# Altium PCB MB1635.PcbDoc (part 10 of 10)
Units mm, origin at the board's own origin, x right, y up, seen from the top; angles counter-clockwise.
Board outline 127 x 97 mm, 6 copper layers (Top Layer, Signal Layer 1, Signal Layer 2, Signal Layer 3, Signal Layer 4, Bottom Layer), stack 1.557 mm thick; 593 components, 478 nets, 2435 pads, 1743 vias.
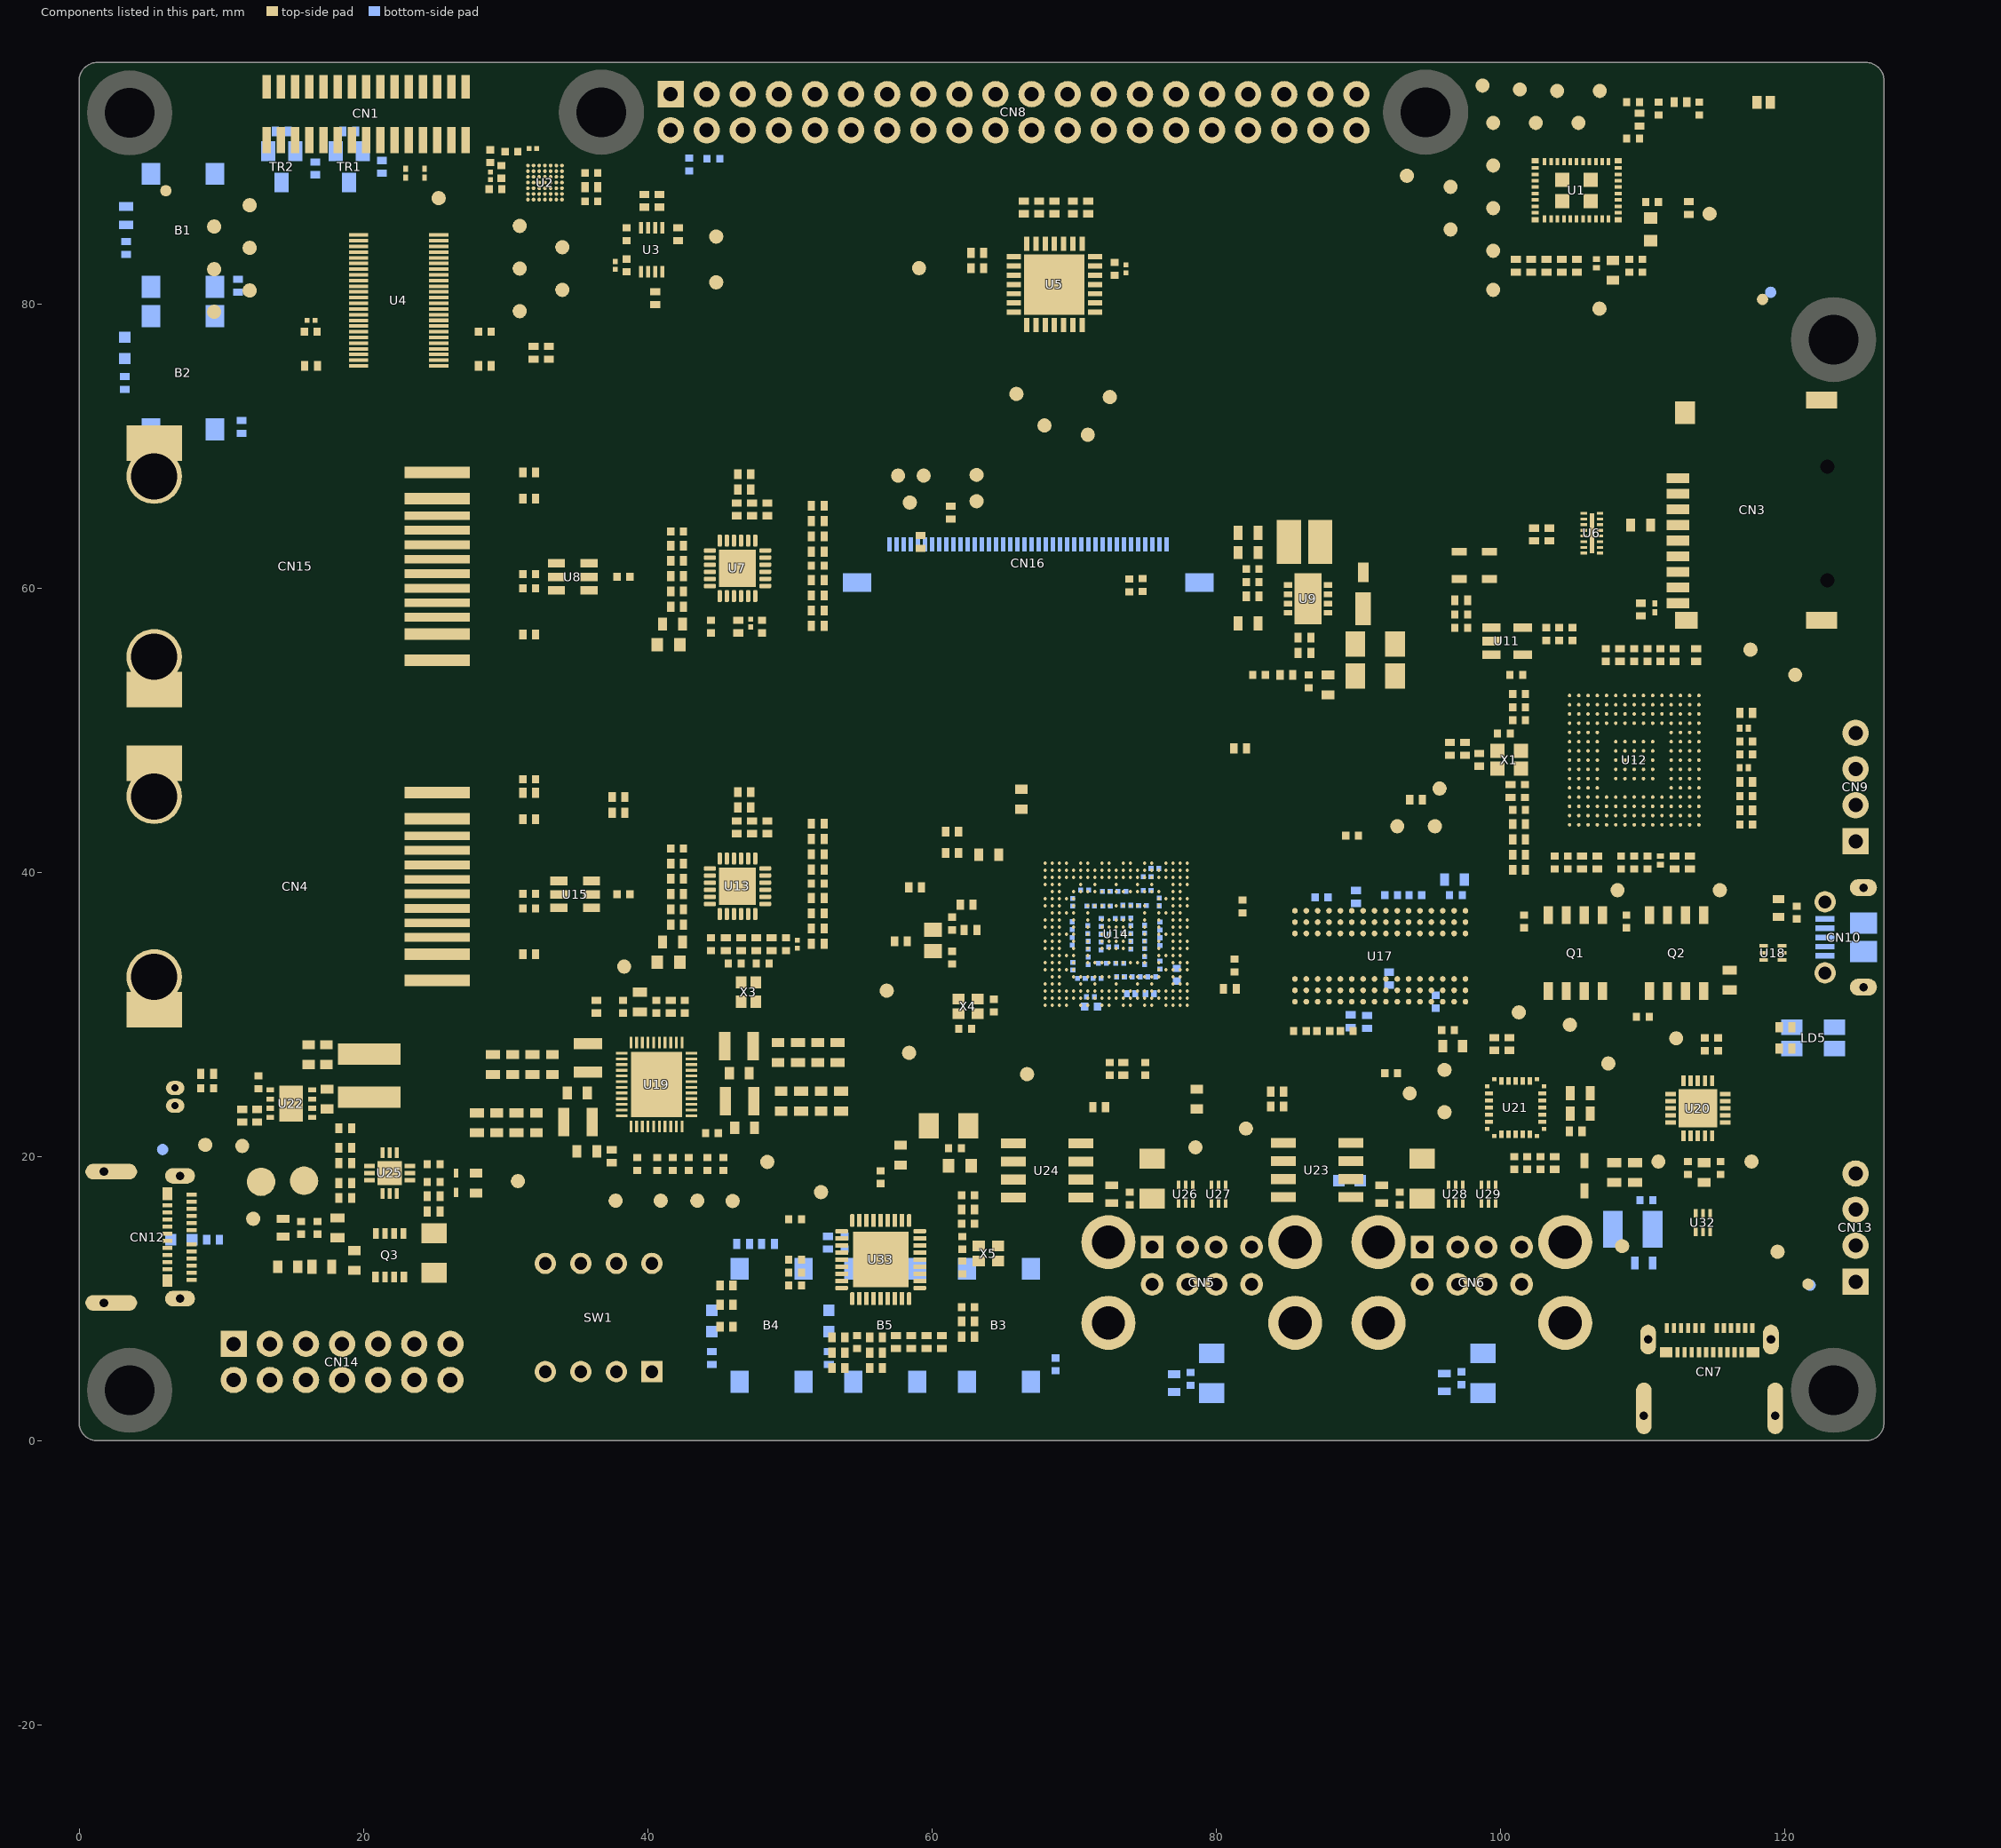
[diagram p14: the components of this part, seen from the top]

## Silkscreen, mask and mechanical layers (free items; w line width, h text height) (continued)
Bottom Overlay:
  lines w0.1: 44.75,48.05 55.325,48.05 57.375,50.1 65.3,50.1 65.3,28.225 43.8,28.225 43.8,48.05 44.8,48.05 ; 65.325,36.875 68.725,36.875 ; 68.375,36.525 68.725,36.875 ; 68.375,37.225 68.725,36.875
  lines w0.12: 5.175,30.95 1.995,30.95 1.995,47.05 5.175,47.05 ; 5.175,53.48 1.995,53.48 1.995,69.58 5.175,69.58 ; 9.375,30.95 13.25,30.95 ; 9.375,47.05 13.25,47.05 ; 9.375,69.58 13.35,69.58
  text "USER1" at 0.45,84.3 h1.5 r270
  text "USER2" at 0.45,74.1 h1.5 r270
  text "ETH2" at 11.175,61.25 h3
  text "RESERVED" at 121.15,42.225 h1.5 r270
  text "ETH1" at 10.875,37.95 h3
  text "USB_STLINK" at 120.8,31.75 h1.5 r270
  text "BOOT1" at 37.407,13.825 h1.5 r270
  text "BOOT2" at 34.857,13.8 h1.5 r270
  text "BOOT0" at 39.832,13.725 h1.5 r270
  text "NC" at 23.1,8.475 h1.5 r270
  text "VDD" at 25.65,8.475 h1.5 r270
  text "USB" at 15.575,8.4 h1.5 r270
  text "CPU" at 10.525,8.375 h1.3 r270
  text "GND" at 18.025,8.35 h1.5 r270
  text "CORE" at 20.55,8.35 h1.5 r270
  text "DDR" at 12.975,8.25 h1.5 r270
  text "WAKE_UP" at 67.9,2.275 h1.5
  text "TAMPER" at 51.475,2.225 h1.5
  text "RESET" at 59.2,2.225 h1.5
Top Solder:
  region: 114.325,24.8 114.325,23.825 115.3,23.825 115.3,24.8
  region: 115.3,22.975 114.325,22.975 114.325,22 115.3,22
  region: 113.475,22 113.475,22.975 112.5,22.975 112.5,22
  rectangle: 112.5,23.825 113.475,24.8
  region: 56.825,14.75 56.825,13.175 58.4,13.175 58.4,14.75
  region: 58.4,12.325 56.825,12.325 56.825,10.75 58.4,10.75
  region: 55.975,10.75 55.975,12.325 54.4,12.325 54.4,10.75
  rectangle: 54.4,13.175 55.975,14.75
  region: 15.8,25.05 15.275,25.05 15.275,24.075 15.8,24.075
  rectangle: 14.05,22.4 14.575,23.375
  region: 15.8,23.375 15.275,23.375 15.275,22.4 15.8,22.4
  rectangle: 14.05,24.075 14.575,25.05
  region: 47.675,38.6 46.75,38.6 46.75,37.675 47.675,37.675
  region: 45.9,37.675 45.9,38.6 44.975,38.6 44.975,37.675
  rectangle: 44.975,39.45 45.9,40.375
  region: 46.75,40.375 46.75,39.45 47.675,39.45 47.675,40.375
  region: 46.75,62.75 46.75,61.825 47.675,61.825 47.675,62.75
  region: 47.675,60.975 46.75,60.975 46.75,60.05 47.675,60.05
  region: 45.9,60.05 45.9,60.975 44.975,60.975 44.975,60.05
  rectangle: 44.975,61.825 45.9,62.75
  rectangle: 69.05,79.2 70.8,80.95
  rectangle: 66.45,79.2 68.2,80.95
  rectangle: 69.05,81.8 70.8,83.55
  rectangle: 66.45,81.8 68.2,83.55
  rectangle: 106.75,62.325 107.3,65.425
  rectangle: 105.6,62.325 106.15,65.425
  rectangle: 24.586,75.487 26.013,85.013
  rectangle: 18.936,75.487 20.363,85.013
  region: 121.8,17.425 123.55,17.425 123.55,25.05 121.8,25.05
Bottom Solder:
  region: 121.8,17.425 123.55,17.425 123.55,25.05 121.8,25.05
M1-Board Shape:
  the board outline again, w0.1
M7-Top Info:
  text "Raspberry shield standard max width is 65mm" at 53.5,103.038 h1.8
Drill Drawing:
  drawing of 528 lines, arcs and shapes, not listed
  text "MINIMUN PARAMETERS" at 152.3,145.65 h3
  text "PCB SPECIFICATIONS :" at 0.575,144.95 h3
  text "A.   MATERIAL :" at 0.575,140.95 h3
  text "FR-4" at 39.075,140.95 h3
  text "TG-170" at 55.575,140.95 h3
  text "X  TG-150" at 73.825,140.95 h3
  text "TG-140" at 89.825,140.95 h3
  text "DEFAULT" at 152.3,140.15 h3
  text "B.   MATERIAL FAMILY :" at 0.575,137.95 h3
  text "N/A" at 39.075,137.95 h3
  text "C.   SOLDERMASK COLOR :" at 0.575,134.95 h3
  text "GREEN" at 39.075,134.95 h3
  text "X  BLUE" at 55.575,134.95 h3
  text "RED" at 73.825,134.95 h3
  text "BLACK" at 89.825,134.95 h3
  text "TRACKS : 0.100mm           / GAPS : 0.100mm" at 152.3,134.4 h3
  text "D.   SILKSCREEN COLOR :" at 0.575,131.95 h3
  text "X  WHITE" at 39.075,131.95 h3
  text "YELLOW" at 55.575,131.95 h3
  text "BLACK" at 73.825,131.95 h3
  text "E.   SURFACE FINISH :" at 0.575,128.95 h3
  text "X  ENIG" at 39.075,128.95 h3
  text "IMMERSION SILVER" at 55.575,128.95 h3
  text "IMMERSION TIN" at 89.825,128.95 h3
  text "UNDER MPU" at 152.3,127.9 h3
  text "HASL" at 39.075,125.95 h3
  text "HASL (PB-FREE)" at 55.575,125.95 h3
  text "GOLDEN FINGER" at 89.825,125.95 h3
  text "F.   IMPEDANCE CONTROL :" at 0.575,122.95 h3
  text "NO" at 39.075,122.95 h3
  text "X  YES  (SEE IMPEDANCE TABLE FOR DETAIL INFORMATION)" at 55.575,122.95 h3
  text "TRACKS : 0.090mm           / GAPS : 0.080mm" at 152.3,122.15 h3
  text "G.   THROUGH VIA :" at 0.575,119.95 h3
  text "PLUG THE VIAS WHICH ARE COVERED WITH SOLDERMASK ONE OR TWO SIDE." at 39.075,119.95 h3
  text "PLUG MATERIAL :" at 39.075,116.95 h3
  text "X  SOLDERMASK" at 64.575,116.95 h3
  text "NON-CONDUCTIVE EPOXY." at 89.825,116.95 h3
  text "UNDER DDR" at 152.3,115.9 h3
  text "H.   STACK-UP :" at 0.575,113.95 h3
  text "SEE LAYER STACK-UP SEQUENCE FOR OVERALL THICKNESS." at 39.075,113.95 h3
  text "TRACKS : 0.090mm           / GAPS : 0.080mm" at 152.3,110.15 h3
  text "Layer" at 137.6,103.625 h2
  text "Name" at 145.974,103.625 h2
  text "Material" at 162.171,103.625 h2
  text "Thickness" at 176.725,103.625 h2
  text "Constant" at 188.68,103.625 h2
  text "Board Layer Stack" at 199.744,103.625 h2
  text "Top Overlay" at 145.974,99.625 h2
  text "Top Solder" at 145.974,95.625 h2
  text "Solder Resist" at 162.171,95.625 h2
  text "0.025mm" at 176.725,95.625 h2
  text "3.5" at 188.68,95.625 h2
  text "1" at 137.6,91.625 h2
  text "Top Layer" at 145.974,91.625 h2
  text "0.027mm" at 176.725,91.625 h2
  text "Dielectric 1" at 145.974,87.625 h2
  text "0.068mm" at 176.725,87.625 h2
  text "4" at 188.68,87.625 h2
  text "2" at 137.598,83.625 h2
  text "Signal Layer 1" at 145.974,83.625 h2
  text "0.033mm" at 176.725,83.625 h2
  text "Dielectric 2" at 145.974,79.625 h2
  text "0.510mm" at 176.725,79.625 h2
  text "4" at 188.68,79.625 h2
  text "3" at 137.6,75.625 h2
  text "Signal Layer 2" at 145.974,75.625 h2
  text "0.033mm" at 176.725,75.625 h2
  text "Dielectric 3" at 145.974,71.625 h2
  text "0.215mm" at 176.725,71.625 h2
  text "5" at 188.68,71.625 h2
  text "4" at 137.6,67.625 h2
  text "Signal Layer 3" at 145.974,67.625 h2
  text "0.033mm" at 176.725,67.625 h2
  text "Dielectric 4" at 145.974,63.625 h2
  text "0.510mm" at 176.725,63.625 h2
  text "4" at 188.68,63.625 h2
  text "5" at 137.6,59.625 h2
  text "Signal Layer 4" at 145.974,59.625 h2
  text "0.033mm" at 176.725,59.625 h2
  text "Dielectric5" at 145.974,55.625 h2
  text "0.068mm" at 176.725,55.625 h2
  text "4" at 188.68,55.625 h2
  text "6" at 137.6,51.625 h2
  text "Bottom Layer" at 145.974,51.625 h2
  text "0.027mm" at 176.725,51.625 h2
  text "Bottom Solder" at 145.974,47.625 h2
  text "Solder Resist" at 162.171,47.625 h2
  text "0.025mm" at 176.725,47.625 h2
  text "3.5" at 188.68,47.625 h2
  text "Bottom Overlay" at 145.974,43.625 h2
  text "Symbol" at 138.02,31.831 h2.4
  text "Count" at 147.419,31.831 h2.4
  text "Hole Size" at 158.05,31.831 h2.4
  text "Plated" at 177.321,31.831 h2.4
  text "Hole Type" at 185.572,31.831 h2.4
  text "Drill Layer Pair" at 197.584,31.831 h2.4
  text "Via/Pad" at 220.808,31.831 h2.4
  text "Pad Shape" at 230.651,31.831 h2.4
  text "Template" at 243.509,31.831 h2.4
  text "Hole Tolerance (+)" at 272.399,31.831 h2.4
  text "Hole Tolerance (-)" at 292.478,31.831 h2.4
  text "2" at 147.419,27.688 h2
  text "0.500mm (19.69mil)" at 158.05,27.688 h2
  text "PTH" at 177.321,27.688 h2
  text "Round" at 185.572,27.688 h2
  text "Top Layer - Bottom Layer" at 197.584,27.688 h2
  text "Pad" at 220.808,27.688 h2
  text "Rounded" at 230.651,27.688 h2
  text "(Mixed)" at 243.509,27.688 h2
  text "0.050mm (1.97mil)" at 272.399,27.688 h2
  text "0.050mm (1.97mil)" at 292.478,27.688 h2
  text "2" at 147.419,23.545 h2
  text "0.600mm (23.62mil)" at 158.05,23.545 h2
  text "PTH" at 177.321,23.545 h2
  text "Slot" at 185.572,23.545 h2
  text "Top Layer - Bottom Layer" at 197.584,23.545 h2
  text "Pad" at 220.808,23.545 h2
  text "Rounded" at 230.651,23.545 h2
  text "r190_120h60_130r100m195_125" at 243.509,23.545 h2
  text "2" at 147.419,19.402 h2
  text "1.000mm (39.37mil)" at 158.05,19.402 h2
  text "NPTH" at 177.321,19.402 h2
  text "Round" at 185.572,19.402 h2
  text "Top Layer - Bottom Layer" at 197.584,19.402 h2
  text "Pad" at 220.808,19.402 h2
  text "Rounded" at 230.651,19.402 h2
  text "c50hn100m105p-1" at 243.509,19.402 h2
  text "4" at 147.419,15.259 h2
  text "0.600mm (23.62mil)" at 158.05,15.259 h2
  text "PTH" at 177.321,15.259 h2
  text "Slot" at 185.572,15.259 h2
  text "Top Layer - Bottom Layer" at 197.584,15.259 h2
  text "Pad" at 220.808,15.259 h2
  text "Rounded" at 230.651,15.259 h2
  text "r210_110h60_160r100m215_115" at 243.509,15.259 h2
  text "4" at 147.419,11.115 h2
  text "0.600mm (23.62mil)" at 158.05,11.115 h2
  text "PTH" at 177.321,11.115 h2
  text "Slot" at 185.572,11.115 h2
  text "Top Layer - Bottom Layer" at 197.584,11.115 h2
  text "Pad" at 220.808,11.115 h2
  text "Rounded" at 230.651,11.115 h2
  text "r260_110h60_210r100m265_115" at 243.509,11.115 h2
  text "4" at 147.419,6.972 h2
  text "3.250mm (127.95mil)" at 158.05,6.972 h2
  text "PTH" at 177.321,6.972 h2
  text "Round" at 185.572,6.972 h2
  text "Top Layer - Bottom Layer" at 197.584,6.972 h2
  text "Pad" at 220.808,6.972 h2
  text "Rounded" at 230.651,6.972 h2
  text "c390h325m395" at 243.509,6.972 h2
  text "6" at 147.419,2.829 h2
  text "3.500mm (137.79mil)" at 158.05,2.829 h2
  text "PTH" at 177.321,2.829 h2
  text "Round" at 185.572,2.829 h2
  text "Top Layer - Bottom Layer" at 197.584,2.829 h2
  text "Pad" at 220.808,2.829 h2
  text "Rounded" at 230.651,2.829 h2
  text "c600h350" at 243.509,2.829 h2
  text "8" at 147.419,-1.314 h2
  text "2.330mm (91.73mil)" at 158.05,-1.314 h2
  text "PTH" at 177.321,-1.314 h2
  text "Round" at 185.572,-1.314 h2
  text "Top Layer - Bottom Layer" at 197.584,-1.314 h2
  text "Pad" at 220.808,-1.314 h2
  text "Rounded" at 230.651,-1.314 h2
  text "c380h233" at 243.509,-1.314 h2
  text "10" at 147.419,-5.457 h2
  text "0.900mm (35.43mil)" at 158.05,-5.457 h2
  text "PTH" at 177.321,-5.457 h2
  text "Round" at 185.572,-5.457 h2
  text "Top Layer - Bottom Layer" at 197.584,-5.457 h2
  text "Pad" at 220.808,-5.457 h2
  text "(Mixed)" at 230.651,-5.457 h2
  text "(Mixed)" at 243.509,-5.457 h2
  text "16" at 147.419,-9.6 h2
  text "0.920mm (36.22mil)" at 158.05,-9.6 h2
  text "PTH" at 177.321,-9.6 h2
  text "Round" at 185.572,-9.6 h2
  text "Top Layer - Bottom Layer" at 197.584,-9.6 h2
  text "Pad" at 220.808,-9.6 h2
  text "(Mixed)" at 230.651,-9.6 h2
  text "(Mixed)" at 243.509,-9.6 h2
  text "29" at 147.419,-13.743 h2
  text "0.100mm (3.94mil)" at 158.05,-13.743 h2
  text "PTH" at 177.321,-13.743 h2
  text "Round" at 185.572,-13.743 h2
  text "Top Layer - Signal Layer 1" at 197.584,-13.743 h2
  text "Via" at 220.808,-13.743 h2
  text "Rounded" at 230.651,-13.743 h2
  text "v26h10m0" at 243.509,-13.743 h2
  text "62" at 147.419,-17.886 h2
  text "1.000mm (39.37mil)" at 158.05,-17.886 h2
  text "PTH" at 177.321,-17.886 h2
  text "Round" at 185.572,-17.886 h2
  text "Top Layer - Bottom Layer" at 197.584,-17.886 h2
  text "Pad" at 220.808,-17.886 h2
  text "Rounded" at 230.651,-17.886 h2
  text "(Mixed)" at 243.509,-17.886 h2
  text "276" at 147.419,-22.029 h2
  text "0.200mm (7.87mil)" at 158.05,-22.029 h2
  text "PTH" at 177.321,-22.029 h2
  text "Round" at 185.572,-22.029 h2
  text "Top Layer - Bottom Layer" at 197.584,-22.029 h2
  text "Via" at 220.808,-22.029 h2
  text "Rounded" at 230.651,-22.029 h2
  text "v40h20m20" at 243.509,-22.029 h2
  text "1438" at 147.419,-26.172 h2
  text "0.250mm (9.84mil)" at 158.05,-26.172 h2
  text "PTH" at 177.321,-26.172 h2
  text "Round" at 185.572,-26.172 h2
  text "Top Layer - Bottom Layer" at 197.584,-26.172 h2
  text "Via" at 220.808,-26.172 h2
  text "Rounded" at 230.651,-26.172 h2
  text "(Mixed)" at 243.509,-26.172 h2
  text "1863 Total" at 147.419,-30.315 h2
  text "Slot definitions :" at 138.02,-33.216 h2
  text "Routed Path Length" at 151.673,-33.216 h2
  text "= Calculated from tool start centre position to tool end centre position." at 168.586,-33.216 h2
  text "Hole Length" at 151.673,-34.873 h2
  text "= Routed Path Length + Tool Size = Slot length as defined in the PCB layout" at 162.307,-34.873 h2

## Dimensions
127,95.73 to 0,95.73 on M2-Board Dimensions
33.15,96.75 to 98.15,97.025 on M8-Bottom Info
1.27,0 to 1.27,97 on M2-Board Dimensions

## Text inside footprints (layer, text, board x,y; h text height)
B1: Bottom Overlay "1" at 6.88,88.963 h1.5 r90; M15-Bottom Assembly "1" at 5.51,90.193 h1.5 r90; M15-Bottom Assembly "3" at 10.035,90.408 h1.5 r90; M15-Bottom Assembly "2" at 5.47,80.553 h1.5 r90; M15-Bottom Assembly "4" at 10.03,80.573 h1.5 r90
B2: Bottom Overlay "1" at 6.88,78.938 h1.5 r90; M15-Bottom Assembly "1" at 5.51,80.168 h1.5 r90; M15-Bottom Assembly "3" at 10.035,80.383 h1.5 r90; M15-Bottom Assembly "2" at 5.47,70.528 h1.5 r90; M15-Bottom Assembly "4" at 10.03,70.548 h1.5 r90
B3: Bottom Overlay "1" at 64.3,11.9 h1.5 r90; M15-Bottom Assembly "1" at 62.93,13.13 h1.5 r90; M15-Bottom Assembly "3" at 67.455,13.345 h1.5 r90; M15-Bottom Assembly "2" at 62.89,3.49 h1.5 r90; M15-Bottom Assembly "4" at 67.45,3.51 h1.5 r90
B4: Bottom Overlay "1" at 49.15,4.35 h1.5 r270; M15-Bottom Assembly "1" at 50.52,3.12 h1.5 r270; M15-Bottom Assembly "3" at 45.995,2.905 h1.5 r270; M15-Bottom Assembly "2" at 50.56,12.76 h1.5 r270; M15-Bottom Assembly "4" at 46,12.74 h1.5 r270
B5: Bottom Overlay "1" at 56.3,11.9 h1.5 r90; M15-Bottom Assembly "1" at 54.93,13.13 h1.5 r90; M15-Bottom Assembly "3" at 59.455,13.345 h1.5 r90; M15-Bottom Assembly "2" at 54.89,3.49 h1.5 r90; M15-Bottom Assembly "4" at 59.45,3.51 h1.5 r90
CART-1: M20-Top Sheet Box "Project: '.Board_Name'" at 17.918,-13.058 h3; M20-Top Sheet Box "Rev: '.Board_PCB_Revision'" at 57.977,-28.142 h3; M20-Top Sheet Box "Ref: '.Board_Reference'" at 58.034,-23.142 h3; M20-Top Sheet Box "Date: '.Board_Document_Date'" at 17.918,-28.142 h3; M20-Top Sheet Box "R" at 103.414,-25.625 h1.52; M20-Top Sheet Box "Layer:" at 17.918,-18.142 h3; M20-Top Sheet Box "Gerber:" at 57.907,-18.142 h3; M20-Top Sheet Box "Variant: '.VariantName'" at 17.918,-23.142 h3; M21-Bottom Sheet Box "Variant: '.VariantName'" at 105.724,-23.142 h3; M21-Bottom Sheet Box "Gerber:" at 65.735,-18.142 h3; M21-Bottom Sheet Box "Layer:" at 105.724,-18.142 h3; M21-Bottom Sheet Box "R" at 20.609,-25.625 h1.52; M21-Bottom Sheet Box "Date: '.Board_Document_Date'" at 105.724,-28.142 h3; M21-Bottom Sheet Box "Ref: '.Board_Reference'" at 65.735,-23.142 h3; M21-Bottom Sheet Box "Rev: '.Board_PCB_Revision'" at 65.792,-28.142 h3; M21-Bottom Sheet Box "Project: '.Board_Name'" at 105.724,-13.058 h3
CN1: Top Overlay "15" at 28.825,91.925 h1.5; Top Overlay "1" at 12.15,90.275 h1.5; Top Overlay "16" at 11.172,95.3 h1.5; Top Overlay "30" at 27.9,95.3 h1.5; M14-Top Assembly "30" at 28.325,94.2 h1.5 r180; M14-Top Assembly "16" at 13.4,94.1 h1.5 r180
CN3: Top Overlay "1" at 113.625,67.5 h1.5; Top Overlay "9" at 113.8,59.475 h1.5; Top Overlay "1" at 111.6,68.275 h1.5; M7-Top Info "EDGE" at 128,72.5 h0.8 r90; M7-Top Info "PCB" at 128,55.5 h0.8 r90; M14-Top Assembly "9" at 113.1,58.8 h0.75 r90; M14-Top Assembly "8" at 113.1,59.875 h0.75 r90; M14-Top Assembly "7" at 113.1,60.975 h0.75 r90; M14-Top Assembly "6" at 113.1,62.1 h0.75 r90; M14-Top Assembly "5" at 113.1,63.175 h0.75 r90; M14-Top Assembly "4" at 113.1,64.275 h0.75 r90; M14-Top Assembly "3" at 113.1,65.375 h0.75 r90; M14-Top Assembly "2" at 113.1,66.475 h0.75 r90; M14-Top Assembly "1" at 113.1,67.7 h0.75 r90; M14-Top Assembly "ATOM" at 115.45,63.2 h1.5 r90; M14-Top Assembly "10" at 113.2,57.4 h0.75 r90; M14-Top Assembly "11" at 122.75,57.525 h0.75 r90; M14-Top Assembly "12" at 122.775,72.8 h0.75 r90; M14-Top Assembly "13" at 113.175,72 h0.75 r90
CN4: Top Overlay "14" at 8.5,29.175 h1.5 r90; Top Overlay "1" at 26.925,31.175 h1.5 r90; Top Overlay "G" at 1.865,43.375 h1.5 r270; Top Overlay "Y" at 1.865,35.525 h1.5 r270; Top Overlay "13" at 8.425,47.575 h1.5 r90; M7-Top Info "EDGE" at -0.725,24.8 h1 r270; M7-Top Info "PCB" at -0.725,55.6 h1 r270; M14-Top Assembly "Y" at 1.875,35.525 h1.5 r270; M14-Top Assembly "G" at 1.875,43.375 h1.5 r270; M14-Top Assembly "1" at 25.78,32.1 h1.5 r270; M14-Top Assembly "12" at 25.78,47.175 h1.5 r270; M14-Top Assembly "13" at 4.78,48.6 h1.5 r270; M14-Top Assembly "14" at 4.755,30.675 h1.5 r270
CN5: Top Overlay "1" at 75.775,15.9 h1.5 r90; M14-Top Assembly "8" at 82.175,10.5 h1.5; M14-Top Assembly "7" at 79.675,10.525 h1.5; M14-Top Assembly "6" at 77.675,10.525 h1.5; M14-Top Assembly "5" at 75.15,10.525 h1.5; M14-Top Assembly "4" at 82.1,13.15 h1.5; M14-Top Assembly "3" at 79.675,13.125 h1.5; M14-Top Assembly "2" at 77.65,13.175 h1.5; M14-Top Assembly "1" at 75.3,13.125 h1.5
CN6: Top Overlay "1" at 94.85,15.875 h1.5 r90; M14-Top Assembly "8" at 101.175,10.5 h1.5; M14-Top Assembly "7" at 98.675,10.525 h1.5; M14-Top Assembly "6" at 96.675,10.525 h1.5; M14-Top Assembly "5" at 94.15,10.525 h1.5; M14-Top Assembly "4" at 101.1,13.15 h1.5; M14-Top Assembly "3" at 98.675,13.125 h1.5; M14-Top Assembly "2" at 96.65,13.175 h1.5; M14-Top Assembly "1" at 94.3,13.125 h1.5
CN7: Top Overlay "B12" at 107.3,5.95 h1.3; Top Overlay "A1" at 110.8,8.5 h1.3; Top Overlay "A12" at 117.021,8.5 h1.3; Top Overlay "B1" at 120.2,6.025 h1.3; M7-Top Info "EDGE" at 120.8,-0.605 h1; M7-Top Info "PCB" at 106.225,-0.605 h1; M14-Top Assembly "A12" at 117.175,7.425 h0.75; M14-Top Assembly "A1" at 111.45,7.45 h0.75; M14-Top Assembly "B1" at 117.425,5.95 h0.75; M14-Top Assembly "B12" at 111.025,5.925 h0.75
CN8: Bottom Overlay "2" at 40.075,90.6 h1.5; Bottom Overlay "1" at 40.125,94.95 h1.5; M15-Bottom Assembly "2" at 41.275,92.725 h1.5 r180; M15-Bottom Assembly "1" at 41.425,95.275 h1.5 r180; M15-Bottom Assembly "40" at 89.187,92.688 h1.5 r180; M15-Bottom Assembly "39" at 89.187,95.228 h1.5 r180
CN9: Bottom Overlay "1" at 124.5,40.35 h1.5 r270; M15-Bottom Assembly "4" at 124.55,49.425 h1.5 r270; M15-Bottom Assembly "1" at 124.5,42 h1.5 r270
CN10: Bottom Overlay "1" at 122.175,39.7 h1.5 r270; M8-Bottom Info "PCB" at 127.725,41.675 h1 r90; M8-Bottom Info "EDGE" at 127.7,31.075 h1 r90; M15-Bottom Assembly "5" at 123.45,34.425 h1.5 r90; M15-Bottom Assembly "1" at 123.45,36.975 h1.5 r90
CN11: Bottom Overlay "1" at 7.95,26.8 h1.5 r90; M15-Bottom Assembly "2" at 7.15,23.325 h1 r90; M15-Bottom Assembly "1" at 7.15,25.325 h1 r90
CN12: Top Overlay "B12" at 4.425,19.625 h1.3; Top Overlay "A1" at 9.325,17.55 h1.3 r90; Top Overlay "A12" at 9.35,9.025 h1.3 r90; Top Overlay "B1" at 4.775,8.425 h1.3; M7-Top Info "EDGE" at -0.63,8.25 h1 r270; M7-Top Info "PCB" at -0.63,22.825 h1 r270; M14-Top Assembly "A12" at 7.4,11.875 h0.75 r270; M14-Top Assembly "A1" at 7.425,17.6 h0.75 r270; M14-Top Assembly "B1" at 5.925,11.625 h0.75 r270; M14-Top Assembly "B12" at 5.9,18.025 h0.75 r270
CN13: Bottom Overlay "1" at 125.425,9.4 h1.5 r90; M15-Bottom Assembly "4" at 124.55,18.425 h1.5 r270; M15-Bottom Assembly "1" at 124.5,11 h1.5 r270
CN14: Bottom Overlay "1" at 9.275,6.325 h1.5; Bottom Overlay "2" at 9.45,3.75 h1.5; M15-Bottom Assembly "1" at 10.685,7.325 h1.5 r180; M15-Bottom Assembly "2" at 10.535,4.775 h1.5 r180; M15-Bottom Assembly "13" at 25.49,7.265 h1.5 r180; M15-Bottom Assembly "14" at 25.435,4.747 h1.5 r180
CN15: Top Overlay "14" at 8.45,51.675 h1.5 r90; Top Overlay "1" at 27.1,53.8 h1.5 r90; Top Overlay "G" at 1.865,65.905 h1.5 r270; Top Overlay "Y" at 1.865,58.055 h1.5 r270; Top Overlay "13" at 8.297,70.263 h1.5 r90; M7-Top Info "EDGE" at -0.725,47.33 h1 r270; M7-Top Info "PCB" at -0.725,78.13 h1 r270; M14-Top Assembly "Y" at 1.875,58.055 h1.5 r270; M14-Top Assembly "G" at 1.875,65.905 h1.5 r270; M14-Top Assembly "1" at 25.78,54.63 h1.5 r270; M14-Top Assembly "12" at 25.78,69.705 h1.5 r270; M14-Top Assembly "13" at 4.78,71.13 h1.5 r270; M14-Top Assembly "14" at 4.755,53.205 h1.5 r270
CN16: Bottom Overlay "40" at 56.65,63 h1.5; Bottom Overlay "1" at 77.275,63.05 h1.5; M15-Bottom Assembly "1" at 77.125,62.3 h1.5; M15-Bottom Assembly "40" at 56.895,62.3 h1.5
D1: M14-Top Assembly "K" at 97.15,62.975 h1.2 r180
D2: M14-Top Assembly "K" at 90.85,58.42 h1.5 r90
D3: M14-Top Assembly "K" at 97.15,61.05 h1.2 r180
D4: M14-Top Assembly "K" at 105.525,17.625 h1.2 r270
D5: M14-Top Assembly "K" at 26.345,18.839 h0.45 r90
HW2: Bottom Overlay "Board 25x9 sticker" at 117.086,91.458 h1.5; M15-Bottom Assembly "Board 25x9 sticker" at 117.086,91.442 h1.5
HW3: Top Overlay "Product 25x9 sticker" at 87.13,72.383 h1.5; M14-Top Assembly "Product 25x9 sticker" at 87.13,72.367 h1.5
LD1: M15-Bottom Assembly "K" at 6.4,13.95 h0.75
LD2: M15-Bottom Assembly "K" at 90.2,18.5 h0.75 r180
LD3: M15-Bottom Assembly "K" at 3.48,86.838 h0.4 r270; M15-Bottom Assembly "K" at 2.88,86.838 h0.4 r270
LD4: M15-Bottom Assembly "K" at 3.005,77.713 h0.75 r270
LD5: Bottom Overlay "R" at 121.55,28.5 h1.5 r270; Bottom Overlay "G" at 121.525,27.35 h1.5 r270; Bottom Overlay "1" at 119.875,26.275 h1.5 r270; M15-Bottom Assembly "R" at 122.025,28.35 h1.5 r270; M15-Bottom Assembly "G" at 122.025,28.35 h1.5 r270
LD6: M15-Bottom Assembly "K" at 44.325,9.225 h0.75 r270
LD7: M15-Bottom Assembly "K" at 52.55,9.225 h0.75 r270
Q1: Top Overlay "1" at 107.925,37.2 h1.2; M14-Top Assembly "1" at 107.15,36.375 h1.2
Q2: Top Overlay "1" at 115.05,37.2 h1.2; M14-Top Assembly "1" at 114.275,36.375 h1.2
Q3: Top Overlay "1" at 23.42,14.889 h1.3; M14-Top Assembly "1" at 22.895,14.464 h0.5 r180; M14-Top Assembly "2" at 22.27,14.464 h0.5 r180; M14-Top Assembly "3" at 21.62,14.464 h0.5 r180; M14-Top Assembly "4" at 20.995,14.464 h0.5 r180; M14-Top Assembly "5" at 20.945,11.989 h0.5 r180; M14-Top Assembly "6" at 21.62,11.989 h0.5 r180; M14-Top Assembly "7" at 22.27,11.989 h0.5 r180; M14-Top Assembly "8" at 22.92,11.989 h0.5 r180
SW1: Bottom Overlay "3" at 35.9,9.525 h1.5; Bottom Overlay "4" at 33.325,9.525 h1.5; Bottom Overlay "1" at 40.95,9.525 h1.5; Bottom Overlay "OPEN" at 38.455,6.135 h1.5; Bottom Overlay "1" at 40.8,2.275 h1.5; Bottom Overlay "4" at 33.35,2.1 h1.5; Bottom Overlay "2" at 38.275,9.525 h1.5; M15-Bottom Assembly "4" at 33.325,9.525 h1.5; M15-Bottom Assembly "1" at 40.675,9.525 h1.5; M15-Bottom Assembly "3" at 35.9,9.525 h1.5; M15-Bottom Assembly "2" at 38.275,9.525 h1.5
U1: Top Overlay "1" at 106.875,90.85 h1.5; M14-Top Assembly "1" at 107.7,90.175 h0.5 r180; M14-Top Assembly "42" at 108.525,90.25 h0.5 r180; M14-Top Assembly "12" at 102.65,90.25 h0.5 r180; M14-Top Assembly "21" at 102.65,86.075 h0.5 r180; M14-Top Assembly "33" at 108.525,86.075 h0.5 r180; M14-Top Assembly "45" at 106.6,87.4 h0.5 r180; M14-Top Assembly "46" at 104.6,87.4 h0.5 r180; M14-Top Assembly "43" at 106.625,88.925 h0.5 r180; M14-Top Assembly "44" at 104.6,88.875 h0.5 r180
U2: M14-Top Assembly "A1" at 33.825,90 h0.5 r270
U3: Top Overlay "1" at 38.965,81.665 h1.3; M14-Top Assembly "1" at 39.415,82.015 h0.75; M14-Top Assembly "4" at 40.865,82.015 h0.75; M14-Top Assembly "8" at 39.39,85.115 h0.75; M14-Top Assembly "5" at 40.89,85.115 h0.75
U4: Top Overlay "1" at 18.325,84.65 h1.5; M14-Top Assembly "48" at 24.975,85.35 h1 r270; M14-Top Assembly "25" at 24.975,76.1 h1 r270; M14-Top Assembly "24" at 19.4,76.125 h1 r270; M14-Top Assembly "1" at 19.375,85 h1 r270
U5: Top Overlay "1" at 72.1,78.174 h1.5
U6: Top Overlay "1" at 105.55,65.9 h1.2 r270
U7: Top Overlay "1" at 44,58.175 h1.5; M14-Top Assembly "6" at 47.45,58.95 h0.65; M14-Top Assembly "24" at 44.275,59.825 h0.65 r90; M14-Top Assembly "19" at 44.275,62.375 h0.65 r90; M14-Top Assembly "18" at 45.35,63.85 h0.65 r180; M14-Top Assembly "13" at 47.85,63.85 h0.65 r180; M14-Top Assembly "12" at 48.775,62.375 h0.65 r90; M14-Top Assembly "7" at 48.775,60 h0.65 r90; M14-Top Assembly "1" at 45,58.925 h0.65; M14-Top Assembly "25" at 46.55,61.1 h0.65 r90
U8: Top Overlay "1" at 32.775,62.555 h1.5 r270; M14-Top Assembly "4" at 35.635,60.02 h0.75 r270; M14-Top Assembly "1" at 33.3,61.85 h0.75 r270; M14-Top Assembly "3" at 33.295,60.02 h0.75 r270; M14-Top Assembly "2" at 33.3,60.95 h0.75 r270; M14-Top Assembly "5" at 35.65,60.95 h0.75 r270; M14-Top Assembly "6" at 35.65,61.9 h0.75 r270
U9: Top Overlay "1" at 84.175,60.575 h1.3; M14-Top Assembly "1" at 84.925,60.325 h0.7 r270; M14-Top Assembly "4" at 84.925,58.45 h0.7 r270; M14-Top Assembly "5" at 87.575,58.425 h0.7 r270; M14-Top Assembly "8" at 87.575,60.375 h0.7 r270
U10: M14-Top Assembly "K" at 110.725,59.2 h0.45 r270
U11: Top Overlay "1" at 98.425,58 h1.5 r270
U12: M14-Top Assembly "A1" at 104.525,52.3 h0.75
U13: Top Overlay "1" at 43.8,36.199 h1.5; M14-Top Assembly "6" at 47.45,36.575 h0.65; M14-Top Assembly "24" at 44.275,37.45 h0.65 r90; M14-Top Assembly "19" at 44.275,40 h0.65 r90; M14-Top Assembly "18" at 45.35,41.475 h0.65 r180; M14-Top Assembly "13" at 47.85,41.475 h0.65 r180; M14-Top Assembly "12" at 48.775,40 h0.65 r90; M14-Top Assembly "7" at 48.775,37.625 h0.65 r90; M14-Top Assembly "1" at 45,36.55 h0.65; M14-Top Assembly "25" at 46.55,38.725 h0.65 r90
U14: M14-Top Assembly "A1" at 67.725,40.45 h0.4
U15: Top Overlay "1" at 32.95,40.205 h1.5 r270; M14-Top Assembly "4" at 35.81,37.67 h0.75 r270; M14-Top Assembly "1" at 33.475,39.5 h0.75 r270; M14-Top Assembly "3" at 33.47,37.67 h0.75 r270; M14-Top Assembly "2" at 33.475,38.6 h0.75 r270; M14-Top Assembly "5" at 35.825,38.6 h0.75 r270; M14-Top Assembly "6" at 35.825,39.55 h0.75 r270
U16: M14-Top Assembly "1" at 119.575,37.5 h0.75 r90; M14-Top Assembly "2" at 119.575,37.5 h0.75 r90
U17: M14-Top Assembly "A1" at 97.35,37.65 h0.75 r270
U18: Top Overlay "1" at 117.625,34.875 h1.3; M14-Top Assembly "1" at 118.425,34.9 h0.5 r270; M14-Top Assembly "2" at 118.425,34.425 h0.5 r270; M14-Top Assembly "3" at 118.425,33.925 h0.5 r270; M14-Top Assembly "4" at 119.608,33.935 h0.5 r270; M14-Top Assembly "5" at 119.6,34.425 h0.5 r270; M14-Top Assembly "6" at 119.6,34.925 h0.5 r270
U19: Top Overlay "1" at 37.384,27.559 h1.5; M14-Top Assembly "1" at 37.95,27.125 h0.5; M14-Top Assembly "12" at 37.675,22.7 h0.5; M14-Top Assembly "13" at 38.605,21.715 h0.5; M14-Top Assembly "22" at 42.185,21.715 h0.5; M14-Top Assembly "23" at 43.15,22.725 h0.5; M14-Top Assembly "34" at 43.15,27.125 h0.5; M14-Top Assembly "35" at 42.205,28.135 h0.5; M14-Top Assembly "44" at 38.585,28.125 h0.5; M14-Top Assembly "ep" at 39.925,24.875 h1.5
U20: Top Overlay "1" at 115.325,25.7 h1.5; M14-Top Assembly "1" at 114.75,25.375 h0.5 r270; M14-Top Assembly "5" at 112.75,25.375 h0.5 r270; M14-Top Assembly "6" at 111.925,24.5 h0.5 r270; M14-Top Assembly "10" at 111.925,22.625 h0.5 r270; M14-Top Assembly "11" at 112.75,21.8 h0.5 r270; M14-Top Assembly "15" at 114.75,21.85 h0.5 r270; M14-Top Assembly "16" at 115.55,22.625 h0.5 r270; M14-Top Assembly "20" at 115.55,24.625 h0.5 r270; M14-Top Assembly "21" at 113.75,23.6 h0.5 r270
U21: Top Overlay "1" at 98.3,20.625 h1.5; M14-Top Assembly "28" at 99.1,22.175 h0.5 r270; M14-Top Assembly "22" at 99.1,25.15 h0.5 r270; M14-Top Assembly "21" at 99.35,25.125 h0.5; M14-Top Assembly "15" at 102.35,25.1 h0.5; M14-Top Assembly "14" at 103.025,24.725 h0.5 r90; M14-Top Assembly "8" at 103.05,21.85 h0.5 r90; M14-Top Assembly "7" at 102.475,21.475 h0.5; M14-Top Assembly "1" at 99.5,21.475 h0.5
U22: Top Overlay "1" at 12.825,26.125 h1.5; M14-Top Assembly "8" at 16.05,24.8 h0.5 r270; M14-Top Assembly "5" at 16.05,22.85 h0.5 r270; M14-Top Assembly "EP" at 14.8,23.975 h0.5 r270; M14-Top Assembly "4" at 13.5,22.875 h0.5 r270; M14-Top Assembly "1" at 13.5,24.775 h0.5 r270
U23: M14-Top Assembly "8" at 89.225,21.275 h1.5 r270; M14-Top Assembly "5" at 89.2,17.45 h1.5 r270; M14-Top Assembly "4" at 84,17.475 h1.5 r270; M14-Top Assembly "1" at 84.025,21.15 h1.5 r270
U24: M14-Top Assembly "8" at 70.225,21.25 h1.5 r270; M14-Top Assembly "5" at 70.2,17.425 h1.5 r270; M14-Top Assembly "4" at 65,17.45 h1.5 r270; M14-Top Assembly "1" at 65.025,21.125 h1.5 r270
U25: Top Overlay "1" at 19.8,19.875 h1.3; M14-Top Assembly "13" at 21.72,18.989 h0.4 r270; M14-Top Assembly "9" at 23.07,19.414 h0.4 r270; M14-Top Assembly "7" at 23.045,18.414 h0.4 r270; M14-Top Assembly "6" at 22.22,17.564 h0.4 r270; M14-Top Assembly "4" at 21.195,17.589 h0.4 r270; M14-Top Assembly "3" at 20.37,18.414 h0.4 r270; M14-Top Assembly "1" at 20.37,19.414 h0.4 r270; M14-Top Assembly "10" at 22.245,20.364 h0.4 r270; M14-Top Assembly "12" at 21.22,20.339 h0.4 r270
U26: Top Overlay "1" at 78.75,17.75 h1.3; M14-Top Assembly "1" at 78.425,18.1 h0.5 r180; M14-Top Assembly "2" at 77.95,18.1 h0.5 r180; M14-Top Assembly "3" at 77.45,18.1 h0.5 r180; M14-Top Assembly "4" at 77.46,16.917 h0.5 r180; M14-Top Assembly "5" at 77.95,16.925 h0.5 r180; M14-Top Assembly "6" at 78.45,16.925 h0.5 r180
U27: Top Overlay "1" at 81.175,17.825 h1.3; M14-Top Assembly "1" at 80.75,18.1 h0.5 r180; M14-Top Assembly "2" at 80.275,18.1 h0.5 r180; M14-Top Assembly "3" at 79.775,18.1 h0.5 r180; M14-Top Assembly "4" at 79.785,16.917 h0.5 r180; M14-Top Assembly "5" at 80.275,16.925 h0.5 r180; M14-Top Assembly "6" at 80.775,16.925 h0.5 r180
U28: Top Overlay "1" at 97.75,17.776 h1.3; M14-Top Assembly "1" at 97.425,18.1 h0.5 r180; M14-Top Assembly "2" at 96.95,18.1 h0.5 r180; M14-Top Assembly "3" at 96.45,18.1 h0.5 r180; M14-Top Assembly "4" at 96.46,16.917 h0.5 r180; M14-Top Assembly "5" at 96.95,16.925 h0.5 r180; M14-Top Assembly "6" at 97.45,16.925 h0.5 r180
U29: Top Overlay "1" at 100.075,17.834 h1.3; M14-Top Assembly "1" at 99.75,18.1 h0.5 r180; M14-Top Assembly "2" at 99.275,18.1 h0.5 r180; M14-Top Assembly "3" at 98.775,18.1 h0.5 r180; M14-Top Assembly "4" at 98.785,16.917 h0.5 r180; M14-Top Assembly "5" at 99.275,16.925 h0.5 r180; M14-Top Assembly "6" at 99.775,16.925 h0.5 r180
U30: M14-Top Assembly "K" at 72.975,16.55 h1 r90
U31: M14-Top Assembly "K" at 91.975,16.55 h1 r90
U32: Top Overlay "1" at 115.225,16 h1.3; M14-Top Assembly "1" at 114.825,16.1 h0.5 r180; M14-Top Assembly "2" at 114.35,16.1 h0.5 r180; M14-Top Assembly "3" at 113.85,16.1 h0.5 r180; M14-Top Assembly "4" at 113.86,14.917 h0.5 r180; M14-Top Assembly "5" at 114.35,14.925 h0.5 r180; M14-Top Assembly "6" at 114.85,14.925 h0.5 r180
U33: Top Overlay "1" at 57.9,16.325 h1.5
U34: M14-Top Assembly "K" at 14.02,15.789 h1 r270
U35: Bottom Overlay "LCD ROCKTEK RK043FN78H-CT661C" at 100.075,71.3 h5; M15-Bottom Assembly "40" at 58.875,62.404 h3; M15-Bottom Assembly "1" at 77.025,62.197 h3; M15-Bottom Assembly "LCD ROCKTEK RK043FN78H-CT661C" at 98.963,66.886 h5
U36: M15-Bottom Assembly "K" at 110.9,12.198 h1
U37: M15-Bottom Assembly "K" at 54.542,13.362 h0.45 r270
U38: M15-Bottom Assembly "K" at 96.4,4.9 h1 r90
U39: M15-Bottom Assembly "K" at 77.375,4.85 h1 r90
U40: M14-Top Assembly "K" at 24.15,89.788 h0.45 r270
U41: M14-Top Assembly "K" at 22.825,89.775 h0.45 r270
X1: M14-Top Assembly "4" at 99.7,48.3 h0.6; M14-Top Assembly "3" at 101.3,48.3 h0.6; M14-Top Assembly "2" at 101.3,47.175 h0.6; M14-Top Assembly "1" at 99.75,47.175 h0.6
X3: M14-Top Assembly "4" at 46.775,30.825 h0.5 r90; M14-Top Assembly "3" at 46.775,32.1 h0.5 r90; M14-Top Assembly "2" at 47.75,32.1 h0.5 r90; M14-Top Assembly "1" at 47.75,30.85 h0.5 r90
X4: M14-Top Assembly "1" at 61.825,29.925 h0.5; M14-Top Assembly "2" at 63.075,29.925 h0.5; M14-Top Assembly "3" at 63.075,30.9 h0.5; M14-Top Assembly "4" at 61.8,30.9 h0.5
X5: M14-Top Assembly "4" at 64.725,12.85 h0.5 r180; M14-Top Assembly "3" at 63.45,12.85 h0.5 r180; M14-Top Assembly "2" at 63.45,13.825 h0.5 r180; M14-Top Assembly "1" at 64.7,13.825 h0.5 r180